# Altium PCB верхняя плата версия 3.PcbDoc (part 1 of 2)
Units mm, origin at the board's own origin, x right, y up, seen from the top; angles counter-clockwise.
Board outline 45 x 53 mm, 4 copper layers (Top Layer 1, Top Layer, Bottom Layer, Bottom Layer 1), stack 0.603 mm thick; 108 components, 130 nets, 780 pads, 384 vias.
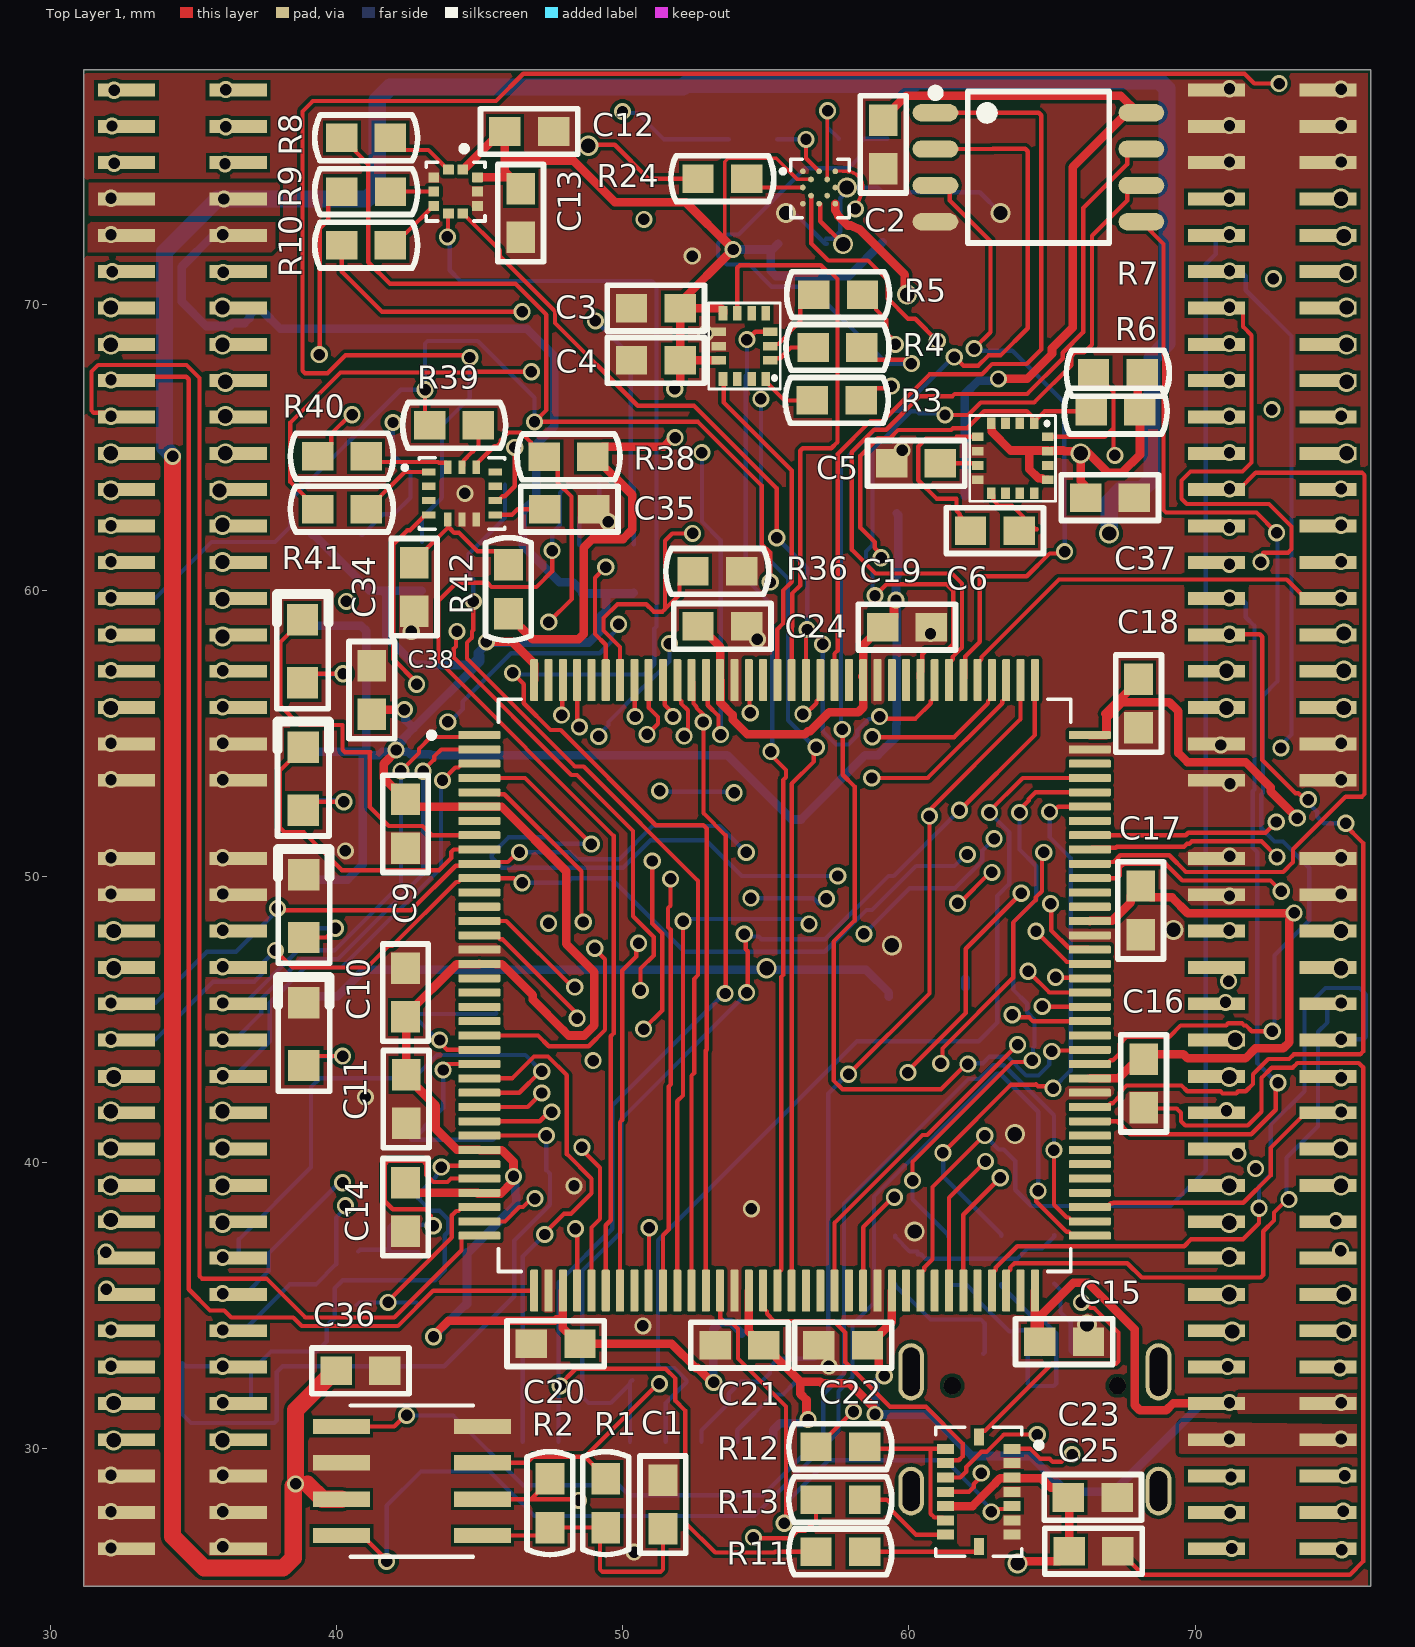
[diagram p0: Top Layer 1 view]
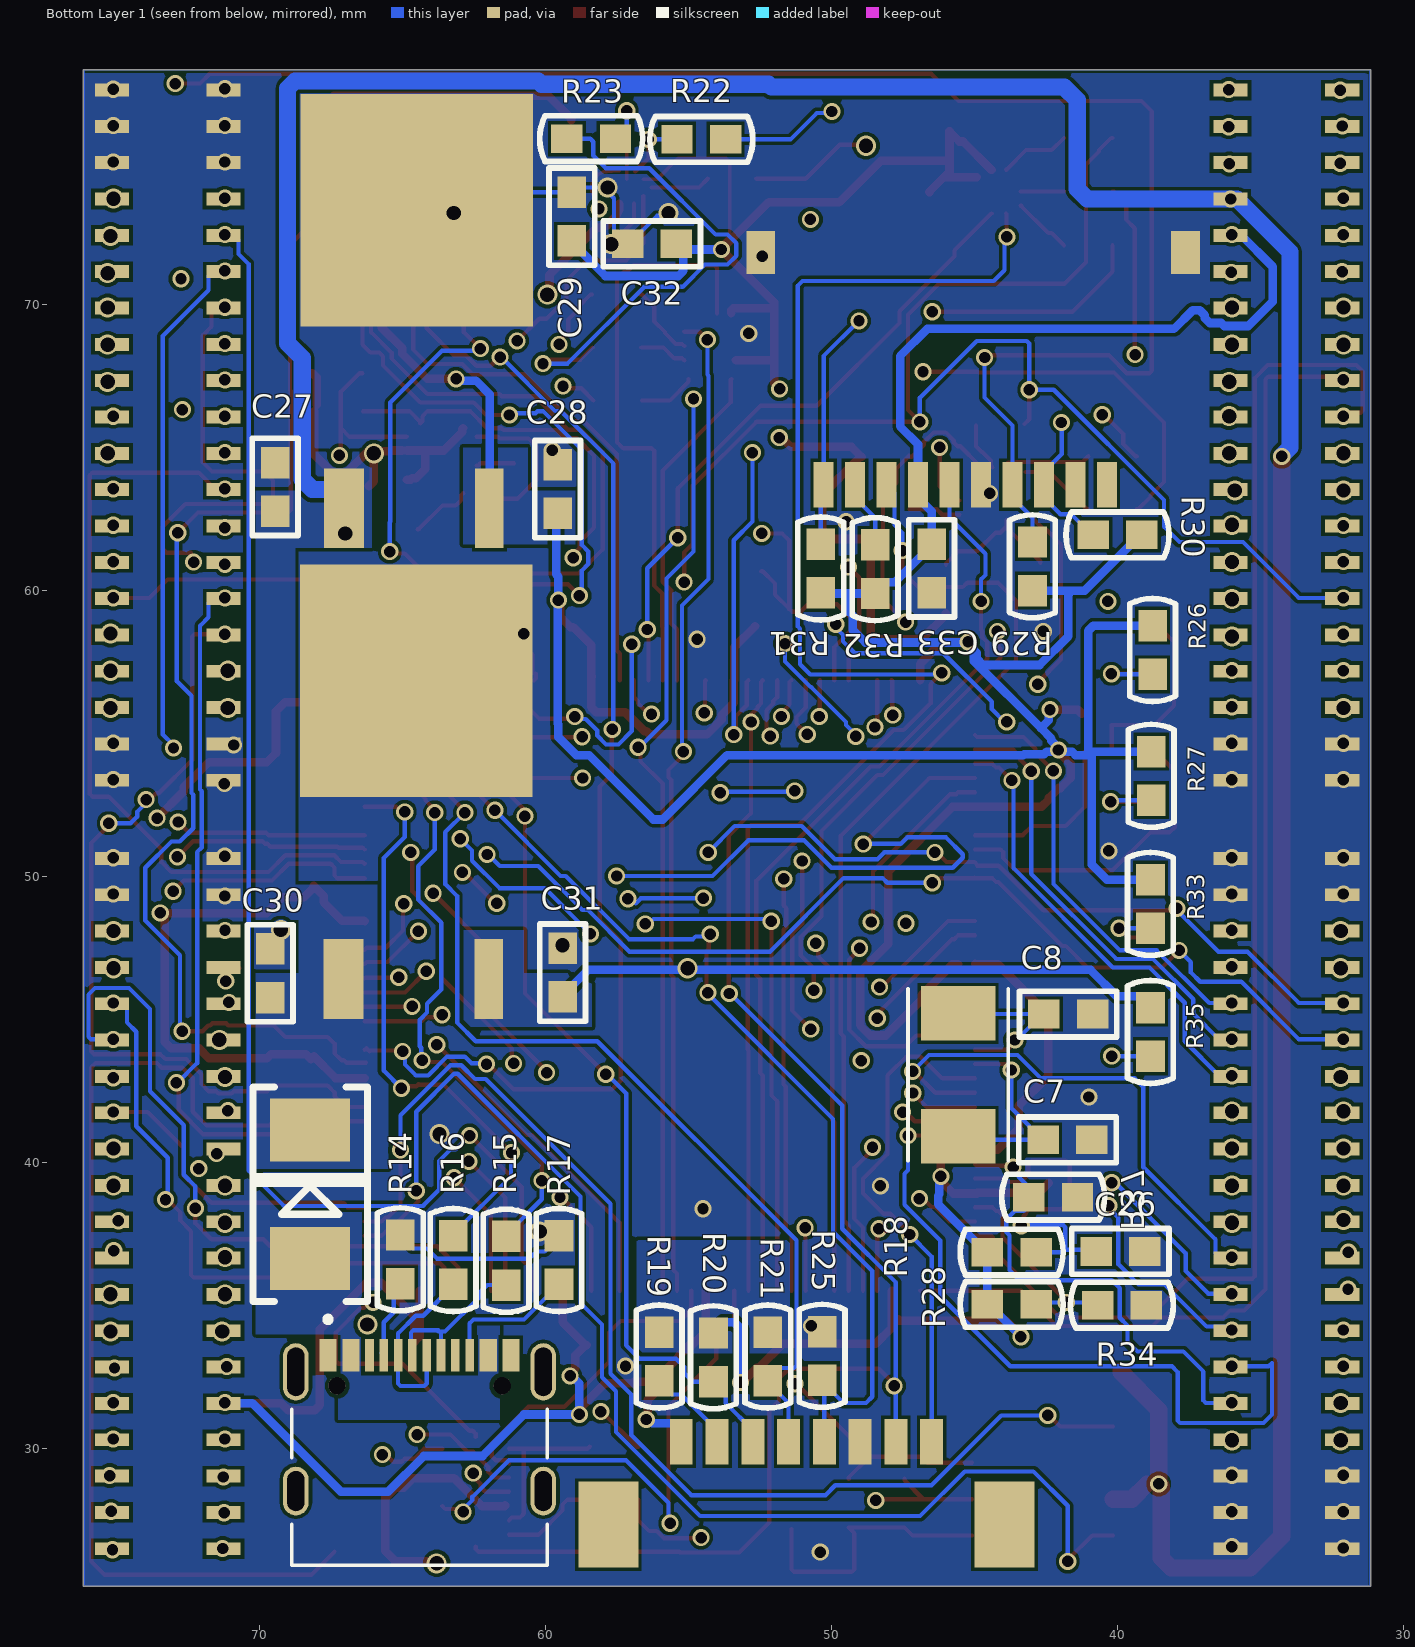
[diagram p1: Bottom Layer 1 view, seen from below]
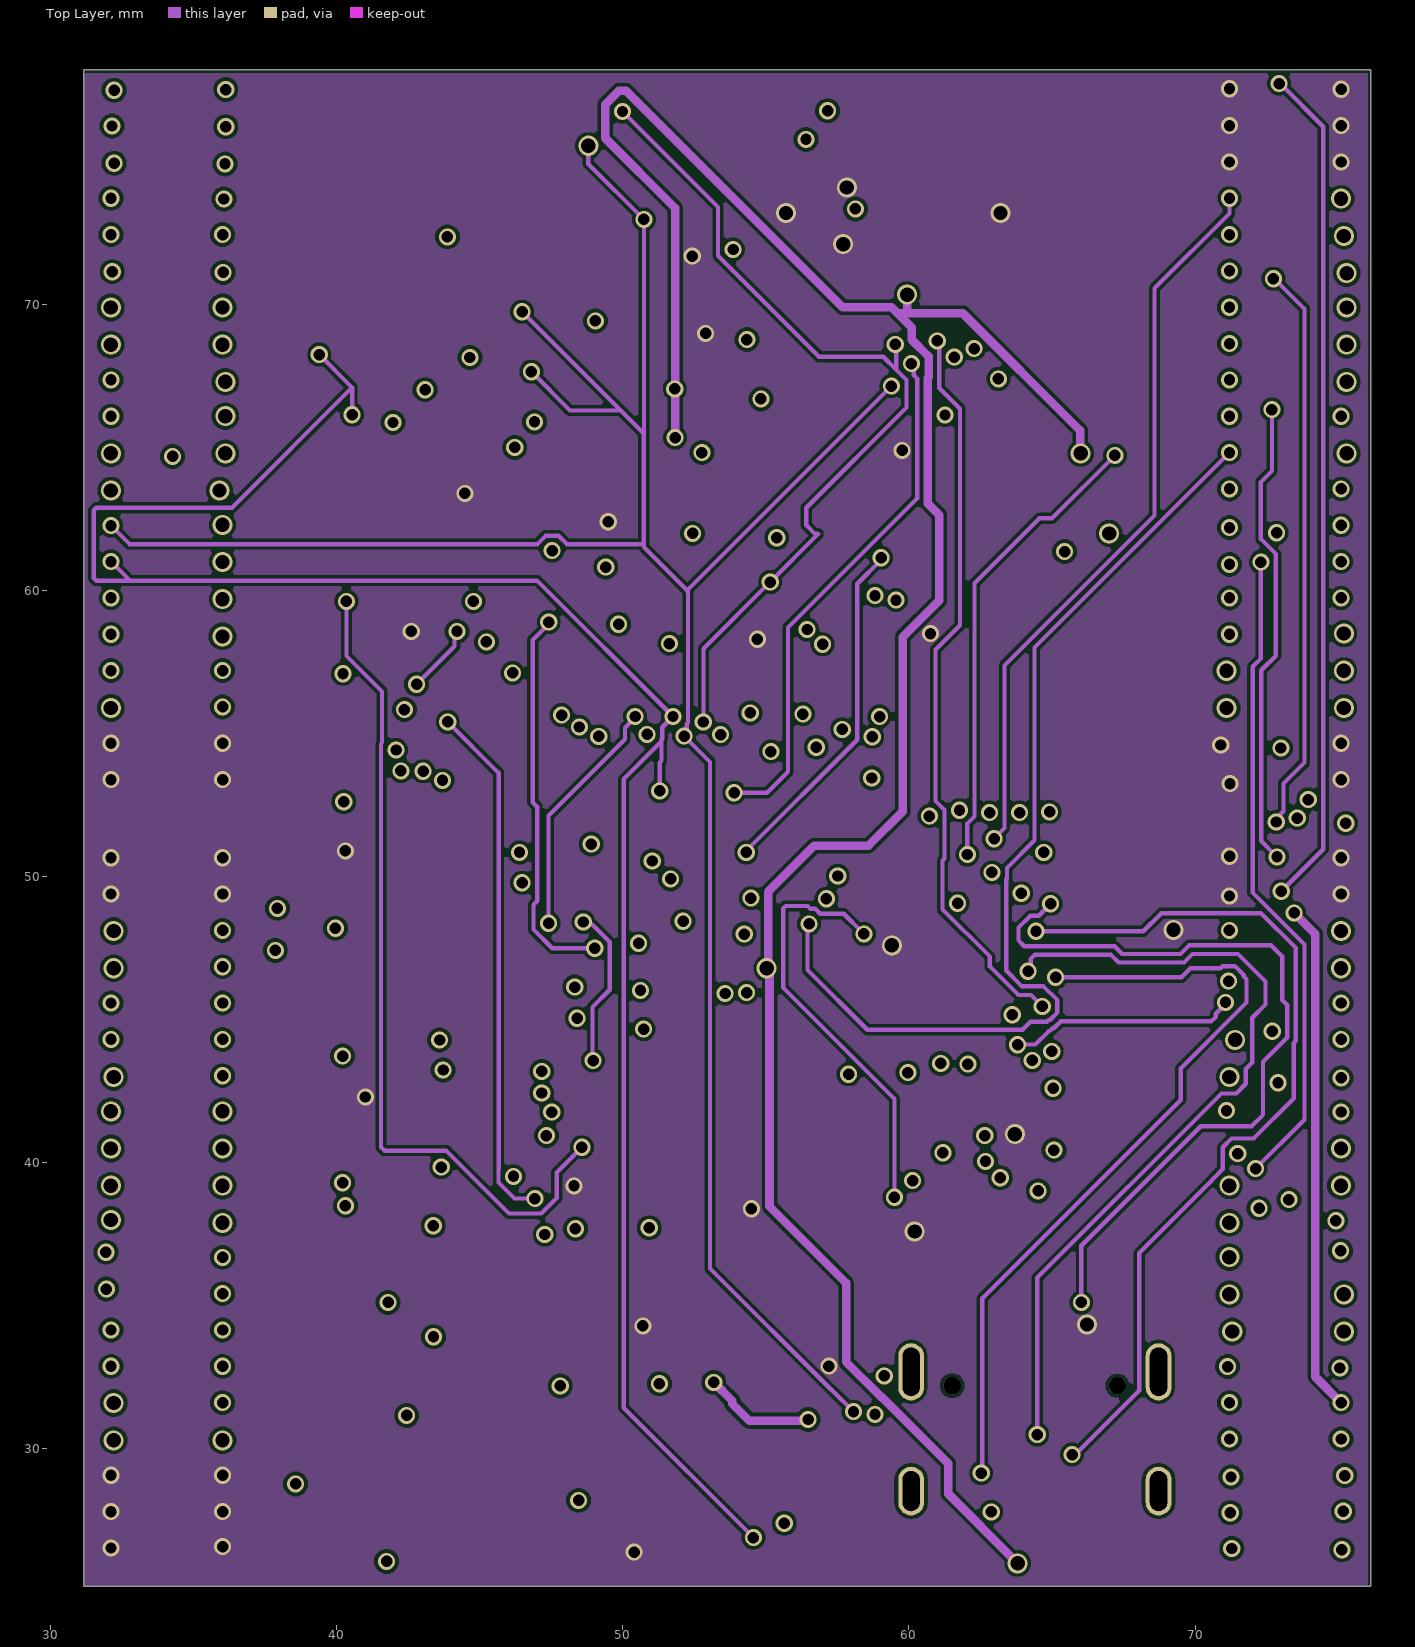
[diagram p2: Top Layer]
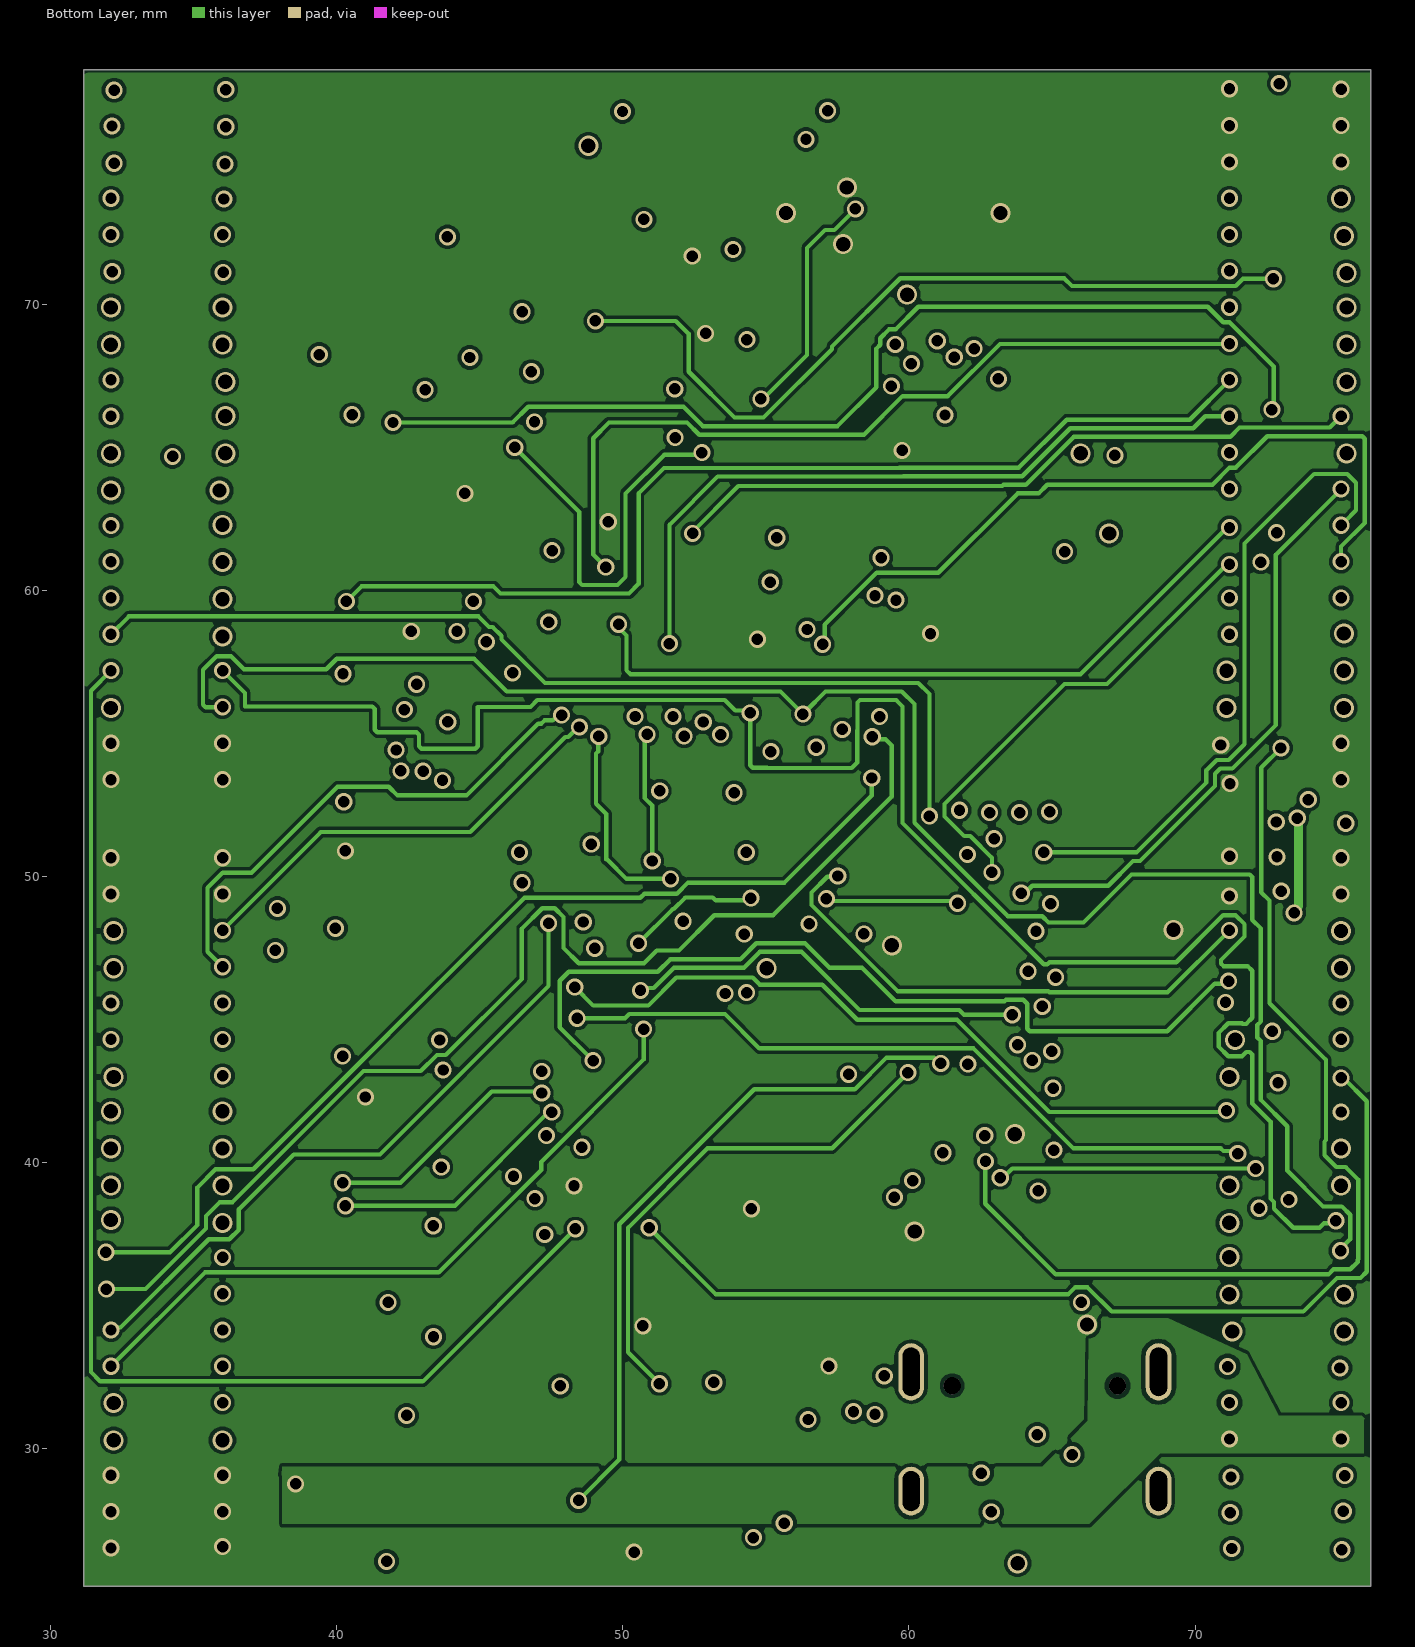
[diagram p3: Bottom Layer]
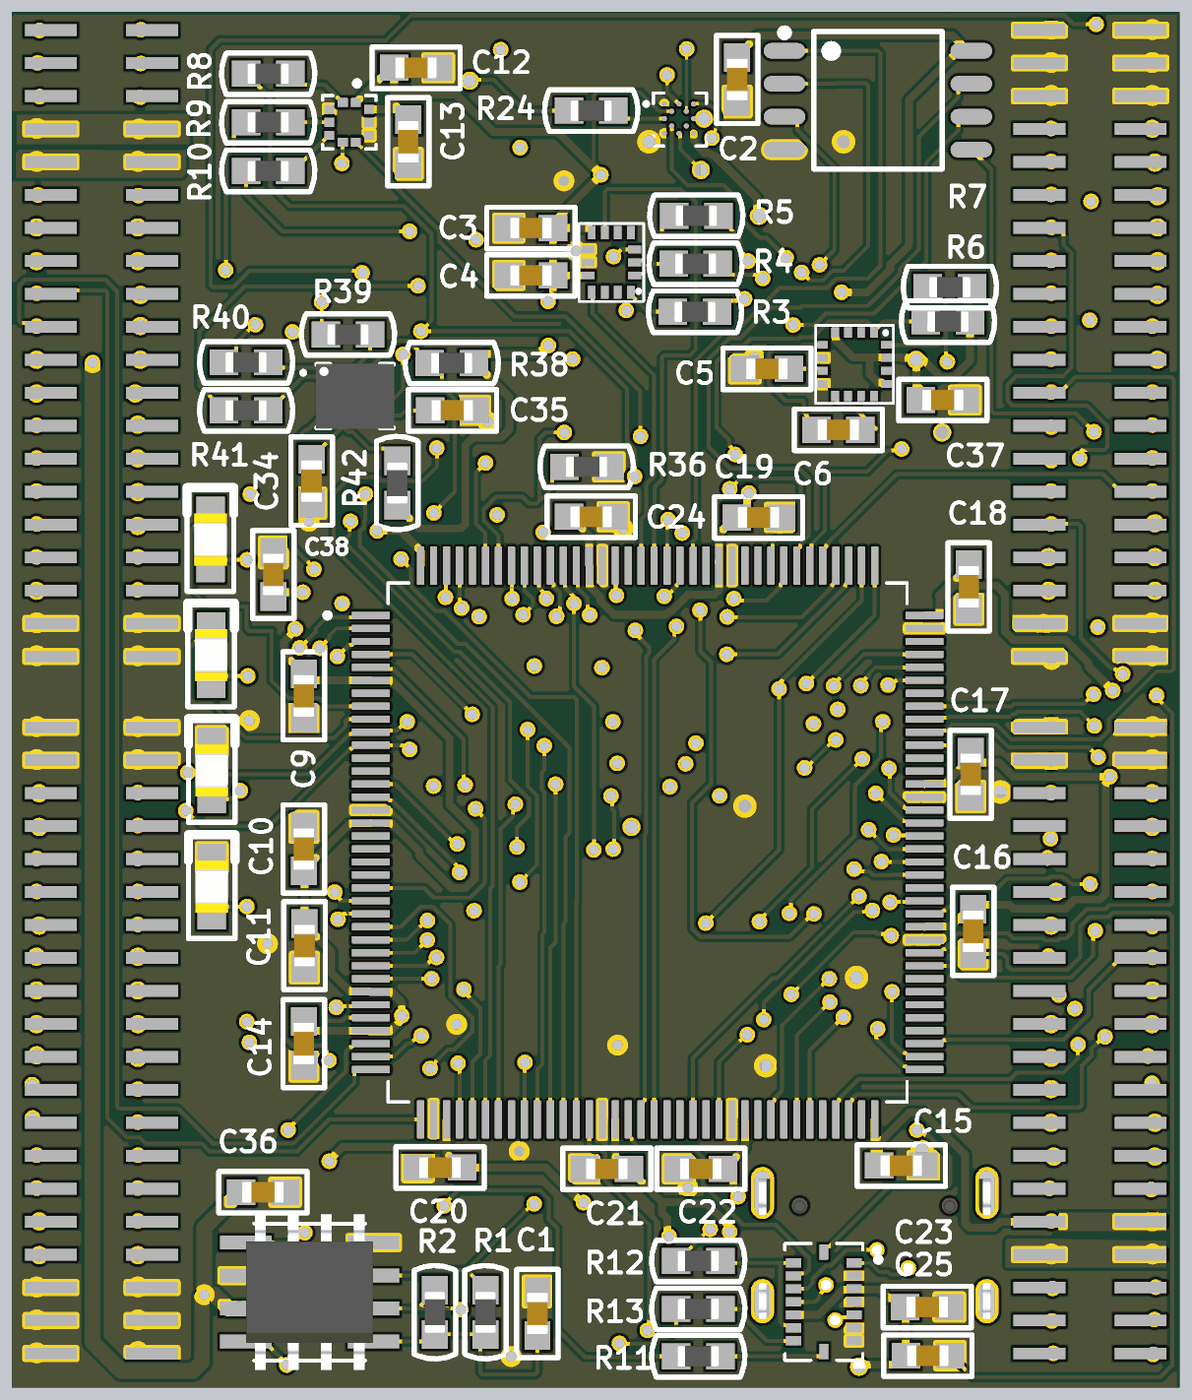
[diagram p5: 3D render of the assembled board from above, using the file's embedded part models]
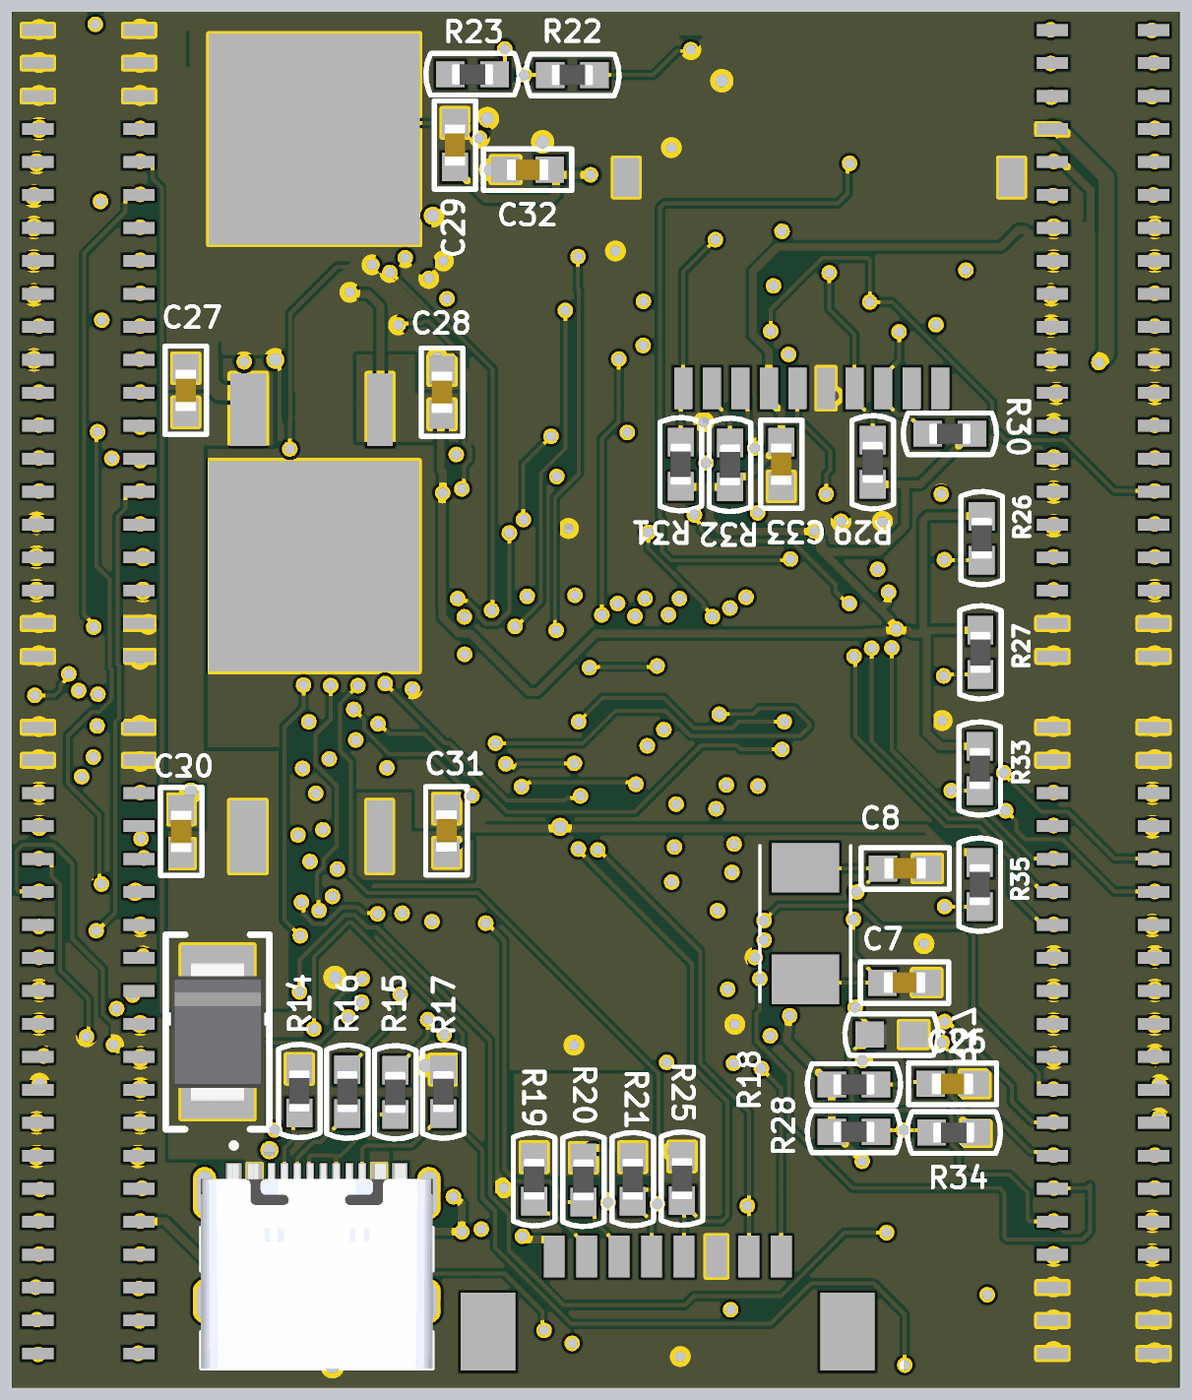
[diagram p6: 3D render of the assembled board from below, using the file's embedded part models]

## Layer stack, top to bottom
Top Solder: solder mask 0.0102, Solder Resist, Dk 3.5
Top Layer 1: signal copper 0.035
Dielectric 2: prepreg 0.0711, PP-006, Dk 4.1
Top Layer: signal copper 0.0356
Dielectric 1: dielectric 0.32, FR-4, Dk 4.8
Bottom Layer: signal copper 0.0356
Dielectric 3: prepreg 0.0711, PP-006, Dk 4.1
Bottom Layer 1: signal copper 0.035
Bottom Solder: solder mask 0.0102, Solder Resist, Dk 3.5

## Board outline
31.15,25.2 76.15,25.2 76.15,78.2 31.15,78.2

## Design rules (kind name [scope] priority, off if disabled: settings)
Clearance [All] p1: gap=0.125 ignorepadtopadclearanceinfootprint=FALSE except(0: Arc-Hole Track-Hole SMDPad-Hole THPad-Hole Via-Hole Fill-Hole Poly-Hole Region-Hole Text-Hole; 0.2: Arc-Region Track-Region SMDPad-Region THPad-Region Via-Region Fill-Region Poly-Region Region-Region)
PolygonConnect [All] p1: connectstyle=Direct reliefconductorwidth=0.254 reliefentries=4 polygonreliefangle="90 Angle" airgapwidth=0.254
RoutingVias [All] p1: holewidth=0.4 width=0.6 viastyle="Through Hole" minholewidth=0.4 minwidth=0.6 maxholewidth=0.4 maxwidth=0.6
SolderMaskExpansion [All] p1: expansion=0.102 istentingtop=FALSE
Width Width_5 [InNet('GND')] p1: maxlimit=0.6 minlimit=0.15 preferedwidth=0.15 minimp=50.000000 maximp=50.000000 favimp=50.000000
Width Width_4 [InNet('VCC')] p2: maxlimit=0.6 minlimit=0.6 preferedwidth=0.6 minimp=50.000000 maximp=50.000000 favimp=50.000000
Width Width_3 [InNet('5V')] p3: maxlimit=0.6 minlimit=0.5 preferedwidth=0.6 minimp=50.000000 maximp=50.000000 favimp=50.000000
Width Width_2 [InNet('3V3_SEN')] p4: maxlimit=0.3 minlimit=0.125 preferedwidth=0.3 minimp=50.000000 maximp=50.000000 favimp=50.000000
Width Width_1 [InNet('3V3')] p5: maxlimit=0.3 minlimit=0.3 preferedwidth=0.3 minimp=50.000000 maximp=50.000000 favimp=50.000000
Width [All] p6: maxlimit=0.15 minlimit=0.125 preferedwidth=0.15 minimp=50.000000 maximp=50.000000 favimp=50.000000
30 further rules are at their usual default settings.

## Classes and differential pairs
component class "верхняя плата версия 1": C1 C2 C3 C4 C5 C6 C7 C8 C9 C10 C11 C12 C13 C14 C15 C16 C17 C18 C19 C20 C21 C22 C23 C24 C25 C26 C27 C28 C29 C30 C31 C32 C33 C34 C35 C36 C37 C38 R1 R2 R3 R4 R5 R6 R7 R8 R9 R10 R11 R12 R13 R14 R15 R16 R17 R18 R19 R20 R21 R22 R23 R24 R25 R26 R27 R28 R29 R30 R31 R32 R33 R34 R35 R36 R37 R38 R39 R40 R41 R42

## Components (designator, comment, footprint, x,y, rotation, side; value= is the part's Value field where it differs from the comment)
C1 "47 nF" C0603 51.4,28.05 r270 top
C2 "100 nF" C0603 59.1,75.6 r90 top
C3 "100 nF" C0603 51.15,69.875 r0 top
C4 "100 nF" C0603 51.15,68.05 r0 top
C5 "4.7 uF" C0603 60.25,64.45 r0 top
C6 "0.22 uF" C0603 63,62.1 r0 top
C7 "22 pF" C0603 41.75,40.8 r0 bottom
C8 "22 pF" C0603 41.725,45.2 r0 bottom
C9 "100 nF" C0603 42.4,51.85 r90 top
C10 "100 nF" C0603 42.4,45.95 r270 top
C11 "100 nF" C0603 42.425,42.225 r90 top
C12 "100 nF" C0603 46.725,76.05 r180 top
C13 "100 nF" C0603 46.425,73.2 r90 top
C14 "100 nF" C0603 42.4,38.45 r90 top
C15 "100 nF" C0603 65.425,33.75 r180 top
C16 "100 nF" C0603 68.2,42.775 r90 top
C17 "100 nF" C0603 68.1,48.825 r90 top
C18 "100 nF" C0603 68.025,56.05 r90 top
C19 "100 nF" C0603 59.925,58.725 r180 top
C20 "100 nF" C0603 47.65,33.675 r0 top
C21 "100 nF" C0603 54.075,33.625 r0 top
C22 "100 nF" C0603 57.7,33.625 r0 top
C23 "100 nF" C0603 66.425,28.3 r180 top
C24 "100 nF" C0603 53.475,58.75 r180 top
C25 "100 nF" C0603 66.45,26.425 r180 top
C26 "100 nF" C0603 39.9,36.9 r0 bottom
C27 "0.1 uF" C0603 69.45,63.625 r270 bottom
C28 "10 uF" C0603 59.575,63.55 r270 bottom
C29 "100 nF" C0603 59.075,73.075 r270 bottom
C30 "0.1 uF" C0603 69.625,46.625 r270 bottom
C31 "10 uF" C0603 59.4,46.65 r270 bottom
C32 "100 nF" C0603 56.275,72.125 r180 bottom
C33 "0.1 uF" C0603 46.5,60.775 r90 bottom
C34 "100 nF" C0603 42.7,60.125 r90 top
C35 "100 nF" C0603 48.125,62.85 r180 top
C36 "100 nF" C0603 40.825,32.725 r0 top
C37 "100 nF" C0603 67.025,63.25 r180 top
C38 "100 nF" C0603 41.225,56.525 r90 top
CAN1 "TJA1040T" SO-8_S 42.625,28.875 r0 top
D "D" GTFP08131Y2HR 45.425,71.025 r180 bottom
D1 "BMP388" PQFN50P200X200X80-10N 44.15,73.95 r270 top
D2 "BMI088" PQFN50P450X300X100-16N 62.44,28.5 r270 top
D3 "BMM150" XDCR_BMM150 56.893,74.057 r0 top
D4 "BMI270" XDCR_BMI270 44.375,63.4 r0 top
HL1 "" LD0805 38.8,57.875 r90 top
HL2 "" LD0805 38.825,53.425 r90 top
HL3 "" LD0805 38.85,48.975 r90 top
HL4 "" LD0805 38.85,44.5 r90 top
LDO1 "КФ1158Н" ТО-263 67.167,63.902 r180 bottom
LDO2 "КФ1158Н" ТО-263 67.184,47.45 r180 bottom
P "Header 1x8" "PicoBlade 8pin" 50.885,30.25 r180 bottom
R1 "60Om" R0603 49.4,28.1 r270 top
R2 "60 Om" R0603 47.45,28.1 r270 top
R3 "0" R0603 57.475,66.65 r0 top
R4 "0" R0603 57.5,68.5 r0 top
R5 "0" R0603 57.525,70.35 r0 top
R6 "2.2k" R0603 67.225,66.275 r0 top
R7 "2.2k" R0603 67.3,67.6 r0 top
R8 "0" R0603 41.025,75.825 r0 top
R9 "0" R0603 41.025,73.95 r0 top
R10 "0" R0603 41.025,72.075 r0 top
R11 "0" R0603 57.6,26.4 r0 top
R12 "0" R0603 57.6,30.075 r180 top
R13 "0" R0603 57.6,28.225 r0 top
R14 "5,1 кОм" R0603 65.075,36.625 r270 bottom
R15 "68" R0603 61.375,36.575 r90 bottom
R16 "68" R0603 63.225,36.6 r90 bottom
R17 "5,1 кОм" R0603 59.525,36.6 r90 bottom
R18 "47 Ом" R0603 43.7,36.875 r180 bottom
R19 "47 кОм" R0603 56.025,33.225 r90 bottom
R20 "47 кОм" R0603 54.125,33.2 r90 bottom
R21 "47 кОм" R0603 52.225,33.225 r90 bottom
R22 "0" R0603 54.55,75.775 r0 bottom
R23 "0" R0603 58.4,75.8 r180 bottom
R24 "0" R0603 53.475,74.4 r180 top
R25 "47 кОм" R0603 50.325,33.25 r90 bottom
R26 "220" R0603 38.775,57.925 r90 bottom
R27 "220" R0603 38.825,53.525 r90 bottom
R28 "0" R0603 43.7,35.05 r0 bottom
R29 "47 кОм" R0603 42.975,60.85 r90 bottom
R30 "47 кОм" R0603 40,61.95 r0 bottom
R31 "47 кОм" R0603 50.375,60.775 r90 bottom
R32 "47 кОм" R0603 48.475,60.75 r90 bottom
R33 "220" R0603 38.85,49.05 r90 bottom
R34 "0" R0603 39.85,35.025 r0 bottom
R35 "220" R0603 38.85,44.575 r90 bottom
R36 "10 kOm" R0603 53.3,60.675 r0 top
R37 "0" R0603 42.25,38.8 r180 bottom
R38 "10 кОм" R0603 48.1,64.675 r0 top
R39 "0" R0603 44.1,65.775 r0 top
R40 "0" R0603 40.175,64.7 r0 top
R41 "0" R0603 40.175,62.85 r0 top
R42 "0" R0603 46,60.05 r270 top
TYPE-C1 "TYPE-C-31-M-12" HRO_TYPE-C-31-M-12 64.4,28.525 r180 bottom
U1 "W25Q128FVSIG" SOIC127P790X216-8N 64.525,74.8 r0 top
U2 "QMI8658" QMI8658 54.2,68.475 r270 top
U3 "QMC5883L" QMC5883L 63.625,64.7 r0 top
U4 "K1921BK01T2" QFP50P2200X2200X160-144N 55.65,46.2 r0 top
VD1 "" DO-214AA 68.225,38.9 r90 bottom
XP1_1 "PLLD-1.27-40S" "Headr 2x20 male" 34.597,65.649 r0 top locked
XP1_2 "PLLD-1.27-40S" "Headr 2x20 Female" 33.97,66.538 r0 bottom locked
XP2_1 "PLLD-1.27-40S" "Headr 2x20 male" 72.697,65.649 r0 top locked
XP2_2 "PLLD-1.27-40S" "Headr 2x20 Female" 73.07,66.538 r0 bottom locked
XP3_1 "PLLD-1.27-40S" "Headr 2x20 male" 34.597,38.789 r0 top locked
XP3_2 "PLLD-1.27-40S" "Headr 2x20 Female" 33.97,39.678 r0 bottom locked
XP4_1 "PLLD-1.27-40S" "Headr 2x20 male" 72.697,38.789 r0 top locked
XP4_2 "PLLD-1.27-40S" "Headr 2x20 Female" 73.07,39.678 r0 bottom locked
Y1 "8 мгц" XTAL_ABM7-8.000MHZ-8-R80-D2Y-T 45.575,43.075 r270 bottom
